# Altium PCB LimeSDR-QPCIe_1v2.PcbDoc (part 6 of 21) (continued)
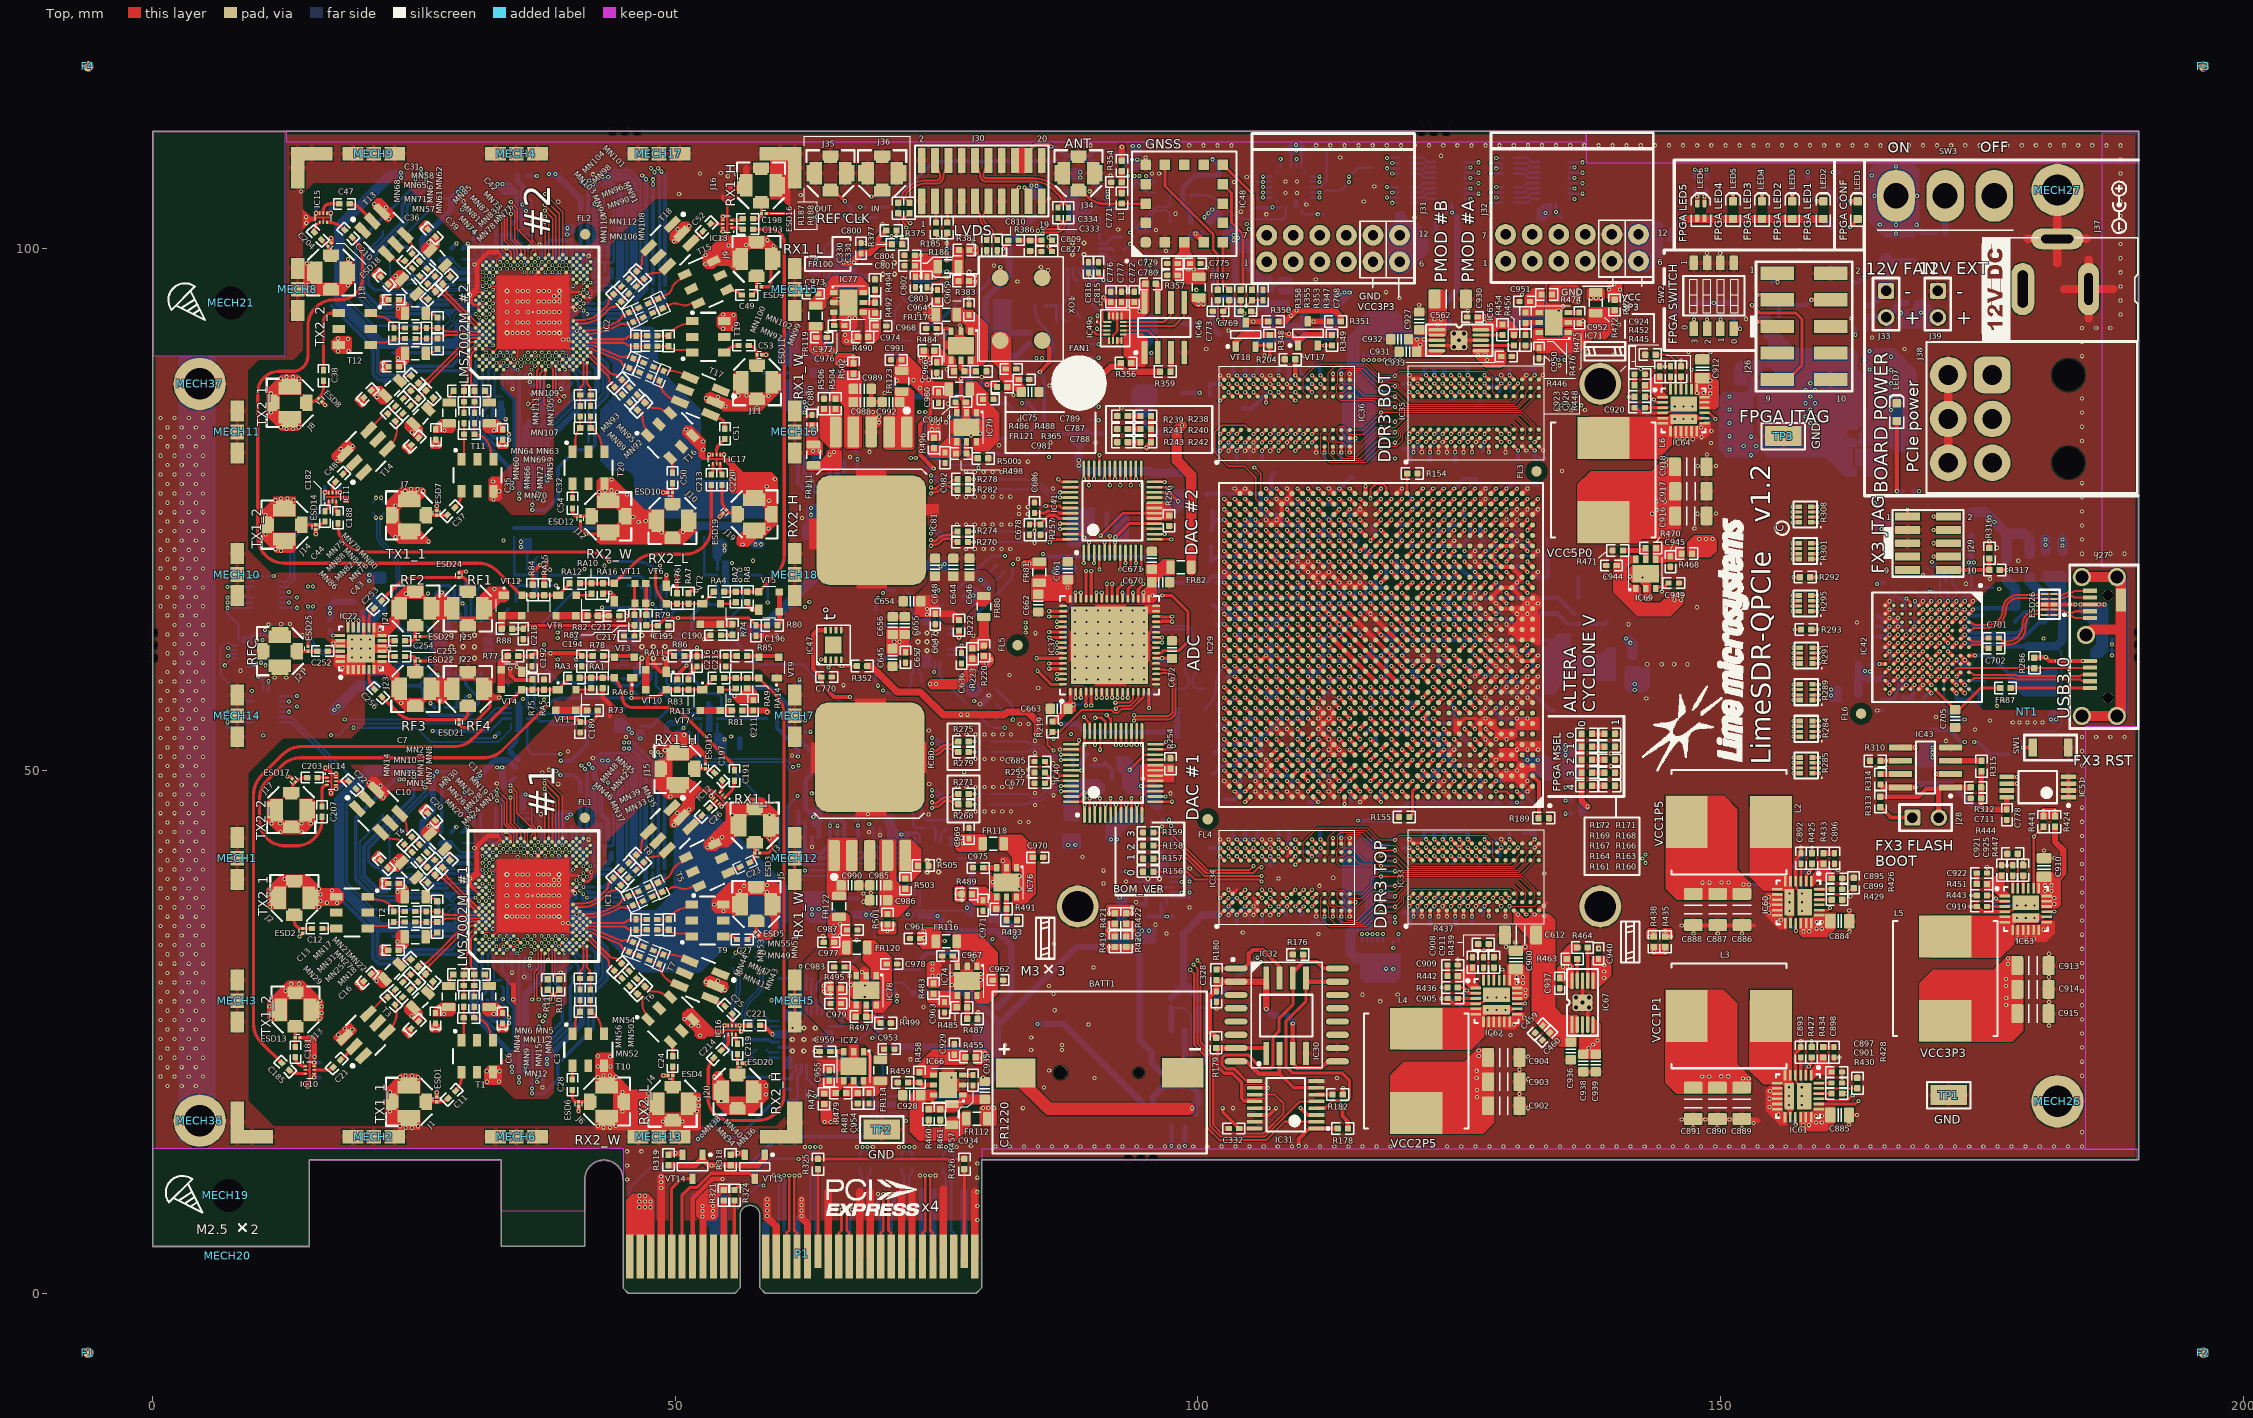
[diagram p0: Top view]
## Nets (pads, with @x,y where several pads share a name; then routed paths per layer and width w, separated by ;. In a path a pad name is that pad's centre, name@x,y a point inside that pad or via, vN(x,y) a via of type N, cw(c..) or ccw(c..) an arc to the next point about the centre after c; other vN are vias at no path point) (continued)
  Bottom w0.254: v1(67.7,102.825) cw(c67.941,102.584) 67.941,102.925 R368.1@69.3,102.925
CYUSB_XTAL_N: C704.2 IC42.C7 XT1.3 | length 14.8
  Top w0.4: v2(171.775,61.4) IC42.C7@172.175,61
  L6 w0.1: v2(171.775,61.4) 171.854,61.479 172.354,61.479 172.684,61.15 173.32,61.15 173.725,60.745 173.725,53.675 173.725,53.083 v1(173.375,52.733)
  Bottom w0.4: C704.2@170.1,53.933 XT1.3@171.825,53.933 173.025,52.733 v1(173.375,52.733)
CYUSB_XTAL_P: C703.2 IC42.C6 XT1.1 | length 15.1
  Top w0.4: IC42.C6@172.175,61.8 v2(172.575,62.2)
  L6 w0.1: v2(172.575,62.2) 172.496,62.121 172.496,61.621 172.766,61.35 173.403,61.35 173.925,60.828 173.925,53.675 ; 173.925,53.758 173.925,53.083 v1(174.275,52.733)
  Bottom w0.4: v1(174.275,52.733) 174.625,52.733 XT1.1@175.825,51.533 C703.2@177.575,51.533
DAC1_CLK: IC40.17 IC40.18 IC40.19 IC40.20 IC55.3 R254.2 | length 12.5
  L8 w0.1: v1(94.725,49.25) 96.175,47.8 96.175,41.625 v1(98.45,39.35)
  Bottom w0.254: IC55.3@97.35,39.35 IC55.3@97.7,39.35 v1(98.45,39.35)
DAC1_DA0: IC29.E27 IC40.14 | length 19
  Top w0.25: IC40.14@95.925,47.525 v1(96.9,47.525)
  Top w0.4: v2(105.525,52) IC29.E27@106.025,51.5
  L3 w0.1: v1(96.9,47.525) 96.9,48.45 97.575,49.125 98.225,49.125 ccw(c98.225,49.429) 98.529,49.429 98.529,49.883 cw(c98.833,49.883) 98.833,50.187 cw(c98.833,49.883) 99.137,49.883 99.137,49.125 99.137,48.367 ccw(c99.441,48.367) 99.441,48.063 ccw(c99.441,48.367) 99.745,48.367 99.745,49.125 99.745,49.502 cw(c100.049,49.502) 100.049,49.806 cw(c100.049,49.502) 100.353,49.502 100.353,49.125 100.353,48.725 ccw(c100.657,48.725) 100.657,48.421 ccw(c100.657,48.725) 100.961,48.725 100.961,48.821 cw(c101.265,48.821) 101.265,49.125 101.475,49.125 101.584,49.125 102.08,49.621 102.08,50.05 102.38,50.35 103.95,50.35 104.18,50.58 104.18,51.15 105.03,52 v2(105.525,52)
DAC1_DA1: IC29.F25 IC40.13 | length 18.7
  Top w0.25: IC40.13@96.225,47.025 v1(97.525,47.025)
  Top w0.4: v2(107.525,53) IC29.F25@108.025,52.5
  L3 w0.1: v1(97.525,47.025) 97.8,47.025 ccw(c97.8,47.329) 98.104,47.329 98.104,47.971 cw(c98.408,47.971) 98.408,48.275 cw(c98.408,47.971) 98.712,47.971 98.712,47.025 98.712,46.079 ccw(c99.016,46.079) 99.016,45.775 ccw(c99.016,46.079) 99.32,46.079 99.32,46.721 cw(c99.624,46.721) 99.624,47.025 99.65,47.025 99.767,47.025 102.292,49.55 103.58,49.55 105.43,51.4 105.925,51.4 v2(107.525,53)
DAC1_DA2: IC29.D28 IC40.12 | length 17.8
  Top w0.25: IC40.12@94.65,46.05 v1(94.65,47.35)
  Top w0.4: v2(104.525,51) IC29.D28@105.025,50.5
  L6 w0.1: v1(94.65,47.35) 94.525,47.35 93.975,47.9 93.35,47.9 93.05,48.2 93.05,48.525 93.4,48.875 94.875,48.875 95.4,49.4 98.975,49.4 99.9,48.475 101.375,48.475 102.333,49.433 102.766,49.433 102.983,49.65 103.67,49.65 104.525,50.505 v2(104.525,51)
DAC1_DA3: IC29.E28 IC40.11 | length 19.1
  Top w0.25: IC40.11@94.15,45.75 v1(94.15,46.725)
  Top w0.4: v2(104.525,52) IC29.E28@105.025,51.5
  L3 w0.1: v1(94.15,46.725) 94.3,46.875 94.3,47.575 93.8,48.075 93.8,48.959 95.316,50.475 95.775,50.475 96.075,50.175 96.075,49.625 96.4,49.3 96.925,49.3 97.668,50.043 97.982,50.043 98.789,50.85 100.375,50.85 100.675,50.55 100.875,50.55 ccw(c100.875,50.854) 101.179,50.854 101.179,50.981 cw(c101.483,50.981) 101.483,51.285 cw(c101.483,50.981) 101.787,50.981 101.787,50.854 ccw(c102.091,50.854) 102.091,50.55 102.35,50.55 103.867,50.55 103.98,50.663 103.98,51.233 104.525,51.778 v2(104.525,52)
DAC1_DA4: IC29.F26 IC40.10 | length 18.6
  Top w0.25: IC40.10@93.65,46.05 v1(93.65,47.35)
  Top w0.4: v2(106.525,53) IC29.F26@107.025,52.5
  L3 w0.1: v1(93.65,47.35) 93.375,47.625 93.375,49.1 95.525,51.25 99.799,51.25 100.974,52.425 103.85,52.425 104.075,52.65 105.7,52.65 106.05,53 v2(106.525,53)
DAC1_DA5: IC29.E30 IC40.9 | length 18.7
  Top w0.25: IC40.9@93.15,45.75 v1(93.15,46.725)
  Top w0.4: v2(102.525,52) IC29.E30@103.025,51.5
  L3 w0.1: v1(93.15,46.725) 93.65,46.725 94.1,47.175 94.1,47.475 93.575,48 93.575,49.017 95.608,51.05 95.993,51.05 cw(c95.993,50.746) 96.297,50.746 96.297,49.83 ccw(c96.601,49.83) 96.601,49.526 ccw(c96.601,49.83) 96.905,49.83 96.905,50.746 cw(c97.209,50.746) 97.209,51.05 cw(c97.209,50.746) 97.513,50.746 97.513,50.605 ccw(c97.817,50.605) 97.817,50.301 ccw(c97.817,50.605) 98.121,50.605 98.121,50.746 cw(c98.425,50.746) 98.425,51.05 99.881,51.05 100.981,52.15 102.375,52.15 v2(102.525,52)
DAC1_DA6: IC29.D27 IC40.8 | length 17.5
  Top w0.25: IC40.8@92.65,46.05 v1(92.65,47.35)
  Top w0.4: v2(105.525,51) IC29.D27@106.025,50.5
  L6 w0.1: v1(92.65,47.35) 93,47.7 93.795,47.7 94.82,46.675 99.411,46.675 100.275,47.539 101.564,47.539 102.75,48.725 102.755,48.725 103.38,49.35 103.775,49.35 104.025,49.6 104.6,49.6 104.925,49.925 104.925,50.4 v2(105.525,51)
DAC1_DA7: IC29.C29 IC40.7 | length 18.2
  Top w0.25: IC40.7@92.15,45.75 v1(92.15,46.725)
  Top w0.4: v2(103.525,50) IC29.C29@104.025,49.5
  L6 w0.1: v1(92.15,46.725) 92.15,48.35 93.433,49.633 99.2,49.633 cw(c99.2,49.329) 99.504,49.329 ccw(c99.808,49.329) 99.808,49.025 ccw(c99.808,49.329) 100.112,49.329 100.112,49.633 100.112,49.737 cw(c100.416,49.737) 100.416,50.041 cw(c100.416,49.737) 100.72,49.737 100.72,49.633 100.72,49.021 ccw(c101.024,49.021) 101.024,48.717 ccw(c101.024,49.021) 101.328,49.021 101.328,49.329 cw(c101.632,49.329) 101.632,49.633 101.775,49.633 102.683,49.633 103.05,50 v2(103.525,50)
DAC1_DA8: IC29.C30 IC40.6 | length 18
  Top w0.25: IC40.6@91.65,46.05 v1(91.65,47.35)
  Top w0.4: v2(102.525,50) IC29.C30@103.025,49.5
  L6 w0.1: v1(91.65,47.35) 91.25,47.75 91.25,49.3 92.375,50.425 93.275,50.425 95.735,50.425 cw(c95.735,50.154) 96.006,50.154 ccw(c96.31,50.154) 96.31,49.85 ccw(c96.31,50.154) 96.614,50.154 cw(c96.885,50.154) 96.885,50.425 96.951,50.425 cw(c96.951,50.154) 97.222,50.154 ccw(c97.526,50.154) 97.526,49.85 ccw(c97.526,50.154) 97.83,50.154 cw(c98.101,50.154) 98.101,50.425 98.167,50.425 cw(c98.167,50.154) 98.438,50.154 ccw(c98.742,50.154) 98.742,49.85 ccw(c98.742,50.154) 99.046,50.154 cw(c99.317,50.154) 99.317,50.425 99.35,50.425 102.1,50.425 v2(102.525,50)
DAC1_DA9: IC29.D29 IC40.5 | length 18
  Top w0.25: IC40.5@91.15,45.75 v1(91.15,46.725)
  Top w0.4: v2(103.525,51) IC29.D29@104.025,50.5
  L6 w0.1: v1(91.15,46.725) 91.05,46.825 91.05,50.275 91.425,50.65 103.175,50.65 v2(103.525,51)
DAC1_DA10: IC29.D30 IC40.4 | length 17.9
  Top w0.25: IC40.4@90.65,46.05 v1(90.65,47.35)
  Top w0.4: v2(102.525,51) IC29.D30@103.025,50.5
  L6 w0.1: v1(90.65,47.35) 90.65,49.25 90.175,49.725 90.175,50.15 90.55,50.525 91.017,50.525 91.342,50.85 101.625,50.85 101.95,51.175 102.35,51.175 v2(102.525,51)
DAC1_DA11: IC29.B29 IC40.3 | length 18.2
  Top w0.25: IC40.3@90.15,45.75 v1(90.15,46.725)
  Top w0.4: v2(103.525,49) IC29.B29@104.025,48.5
  L6 w0.1: v1(90.15,46.725) 90.575,46.3 99.8,46.3 ccw(c99.8,46.604) 100.104,46.604 100.104,46.832 cw(c100.408,46.832) 100.408,47.136 cw(c100.408,46.832) 100.712,46.832 100.712,46.563 ccw(c100.975,46.563) 100.975,46.3 101.75,46.3 102,46.55 102,47.687 103.313,49 v2(103.525,49)
DAC1_DA12: IC29.A29 IC40.2 | length 17.9
  Top w0.25: IC40.2@89.65,46.05 v1(89.65,47.35)
  Top w0.4: v2(103.525,48) IC29.A29@104.025,47.5
  L6 w0.1: v1(89.65,47.35) 89.65,46.73 90.297,46.084 102.234,46.084 103.525,47.375 v2(103.525,48)
DAC1_DA13: IC29.B28 IC40.1 | length 18.3
  Top w0.25: IC40.1@89.15,45.75 v1(89.15,46.725)
  Top w0.4: v2(104.525,48) IC29.B28@105.025,48.5
  L6 w0.1: v1(89.15,46.725) 89.991,45.884 102.409,45.884 v2(104.525,48)
DAC1_DB0: IC29.F28 IC40.36 | length 18.5
  Top w0.25: v1(89.15,52.45) IC40.36@89.15,53.5
  Top w0.4: v2(104.525,53) IC29.F28@105.025,52.5
  L3 w0.1: v1(89.15,52.45) 89.15,51.85 89.55,51.45 99.716,51.45 100.916,52.65 103.725,52.65 104.075,53 v2(104.525,53)
DAC1_DB1: IC29.F30 IC40.35 | length 18.9
  Top w0.25: v1(89.1,55.125) 89.65,54.575 IC40.35@89.65,53.8
  Top w0.4: v2(102.525,53) IC29.F30@103.025,52.5
  L3 w0.1: v1(89.1,55.125) 89.625,54.6 89.625,52.475 90.45,51.65 99.633,51.65 100.983,53 v2(102.525,53)
DAC1_DB2: IC29.J28 IC40.34 | length 18.8
  Top w0.25: v1(90.15,52.45) IC40.34@90.15,53.5
  Top w0.4: v2(104.525,56) IC29.J28@105.025,55.5
  L3 w0.1: v1(90.15,52.45) 92.4,54.7 92.4,54.9 94.8,57.3 101.73,57.3 102.43,56.6 103.925,56.6 v2(104.525,56)
DAC1_DB3: IC29.F29 IC40.33 | length 18.7
  Top w0.25: v1(90.65,52) IC40.33@90.65,53.8
  Top w0.4: v2(103.525,53) IC29.F29@104.025,52.5
  L3 w0.1: v1(90.65,52) 90.8,51.85 90.95,51.85 ccw(c90.95,52.154) 91.254,52.154 91.254,52.172 cw(c91.558,52.172) 91.558,52.476 cw(c91.558,52.172) 91.862,52.172 91.862,52.154 ccw(c92.166,52.154) 92.166,51.85 93.5,51.85 95.4,51.85 ccw(c95.4,52.154) 95.704,52.154 95.704,52.521 cw(c96.008,52.521) 96.008,52.825 cw(c96.008,52.521) 96.312,52.521 96.312,52.154 ccw(c96.616,52.154) 96.616,51.85 96.7,51.85 97.85,51.85 98.15,52.15 98.775,52.15 99.075,51.85 99.55,51.85 101.15,53.45 102.842,53.45 103.292,53 v2(103.525,53)
DAC1_DB4: IC29.K30 IC40.32 | length 19
  Top w0.25: v1(90.175,55.05) 90.8,55.05 91.15,54.7 IC40.32@91.15,53.8
  Top w0.4: v2(102.525,57) IC29.K30@103.025,56.5
  L3 w0.1: v1(90.175,55.05) 90.525,54.7 91.917,54.7 94.725,57.508 96.683,57.508 97.275,58.1 99.026,58.1 ccw(c99.026,58.404) 99.33,58.404 99.33,58.547 cw(c99.634,58.547) 99.634,58.851 cw(c99.634,58.547) 99.938,58.547 99.938,58.1 99.938,57.804 ccw(c100.242,57.804) 100.242,57.5 ccw(c100.242,57.804) 100.546,57.804 cw(c100.842,57.804) 100.842,58.1 100.85,58.1 101.425,58.1 v2(102.525,57)
DAC1_DB5: IC29.K28 IC40.31 | length 19
  Top w0.25: v1(91.275,55.325) 91.65,54.95 IC40.31@91.65,53.8
  Top w0.4: v2(104.525,57) IC29.K28@105.025,56.5
  L3 w0.1: v1(91.275,55.325) 92.15,55.325 94.533,57.708 96.54,57.708 97.9,59.068 98.209,59.068 cw(c98.209,58.764) 98.513,58.764 98.513,58.628 ccw(c98.817,58.628) 98.817,58.324 ccw(c98.817,58.628) 99.121,58.628 99.121,58.764 cw(c99.425,58.764) 99.425,59.068 100.74,59.068 102.433,57.375 104.15,57.375 v2(104.525,57)
DAC1_DB6: IC29.G29 IC40.30 | length 18.6
  Top w0.25: v1(92.15,52.45) IC40.30@92.15,53.5
  Top w0.4: v2(103.525,54) IC29.G29@104.025,53.5
  L3 w0.1: v1(92.15,52.45) 92.55,52.05 94.75,52.05 95.725,53.025 96.283,53.025 96.458,53.2 100.042,53.2 101.392,54.55 103.625,54.55 103.925,54.85 103.925,55.275 104.075,55.425 104.675,55.425 104.875,55.225 104.875,54.65 104.575,54.35 104.35,54.35 104,54 v2(103.525,54)
DAC1_DB7: IC29.J29 IC40.29 | length 18.4
  Top w0.25: v1(92.65,52.45) IC40.29@92.65,53.5
  Top w0.4: v2(103.525,56) IC29.J29@104.025,55.5
  L3 w0.1: v1(92.65,52.45) 92.65,54.867 94.883,57.1 98.3,57.1 cw(c98.3,56.878) 98.522,56.878 98.522,56.704 ccw(c98.826,56.704) 98.826,56.4 ccw(c98.826,56.704) 99.13,56.704 99.13,56.796 cw(c99.434,56.796) 99.434,57.1 cw(c99.434,56.796) 99.738,56.796 99.738,56.704 ccw(c100.042,56.704) 100.042,56.4 ccw(c100.042,56.704) 100.346,56.704 100.346,56.796 cw(c100.65,56.796) 100.65,57.1 101.647,57.1 102.347,56.4 103.35,56.4 103.525,56.225 v2(103.525,56)
DAC1_DB8: IC29.J30 IC40.28 | length 18.3
  Top w0.25: v1(93.15,52.45) IC40.28@93.15,53.5
  Top w0.4: v2(102.525,56) IC29.J30@103.025,55.5
  L3 w0.1: v1(93.15,52.45) 93.15,55.084 94.266,56.2 94.9,56.2 ccw(c94.9,56.504) 95.204,56.504 95.204,56.596 cw(c95.508,56.596) 95.508,56.9 cw(c95.508,56.596) 95.812,56.596 95.812,56.2 95.812,56.154 ccw(c96.116,56.154) 96.116,55.85 ccw(c96.116,56.154) 96.42,56.154 96.42,56.2 96.42,56.596 cw(c96.724,56.596) 96.724,56.9 cw(c96.724,56.596) 97.028,56.596 97.028,56.2 97.028,56.154 ccw(c97.332,56.154) 97.332,55.85 ccw(c97.332,56.154) 97.636,56.154 97.636,56.2 97.636,56.596 cw(c97.94,56.596) 97.94,56.9 cw(c97.94,56.596) 98.244,56.596 98.244,56.504 ccw(c98.548,56.504) 98.548,56.2 98.825,56.2 102.325,56.2 v2(102.525,56)
DAC1_DB9: IC29.H27 IC40.27 | length 18.6
  Top w0.25: v1(93.65,52.45) IC40.27@93.65,53.5
  Top w0.4: v2(105.525,55) IC29.H27@106.025,54.5
  L3 w0.1: v1(93.65,52.45) 93.4,52.7 93.4,53.7 95.35,55.65 100.6,55.65 100.95,56 101.85,56 102.2,55.65 104.825,55.65 105,55.825 105,56.15 105.2,56.35 105.67,56.35 105.925,56.095 105.925,55.4 v2(105.525,55)
DAC1_DB10: IC29.H29 IC40.26 | length 18.7
  Top w0.25: v1(94.15,52.45) IC40.26@94.15,53.5
  Top w0.4: v2(103.525,55) IC29.H29@104.025,54.5
  L3 w0.1: v1(94.15,52.45) 93.6,53 93.6,53.6 95.45,55.45 95.925,55.45 96.511,55.45 cw(c96.511,55.146) 96.815,55.146 96.815,54.843 ccw(c97.119,54.843) 97.119,54.539 ccw(c97.119,54.843) 97.423,54.843 97.423,55.146 cw(c97.727,55.146) 97.727,55.45 cw(c97.727,55.146) 98.031,55.146 98.031,54.843 ccw(c98.335,54.843) 98.335,54.539 ccw(c98.335,54.843) 98.639,54.843 98.639,55.146 cw(c98.943,55.146) 98.943,55.45 cw(c98.943,55.146) 99.247,55.146 99.247,54.843 ccw(c99.551,54.843) 99.551,54.539 ccw(c99.551,54.843) 99.855,54.843 99.855,55.146 cw(c100.159,55.146) 100.159,55.45 cw(c100.159,55.146) 100.463,55.146 100.463,55.094 ccw(c100.767,55.094) 100.767,54.79 ccw(c100.767,55.094) 101.071,55.094 101.071,55.146 cw(c101.375,55.146) 101.375,55.45 103.075,55.45 v2(103.525,55)
DAC1_DB11: IC29.H30 IC40.25 | length 18.5
  Top w0.25: v1(94.65,52.45) IC40.25@94.65,53.5
  Top w0.4: v2(102.525,55) IC29.H30@103.025,54.5
  L3 w0.1: v1(94.65,52.45) 94.645,52.45 93.875,53.22 93.875,53.592 94.583,54.3 94.725,54.3 ccw(c94.725,54.598) 95.023,54.598 95.023,54.614 cw(c95.327,54.614) 95.327,54.918 cw(c95.327,54.614) 95.631,54.614 95.631,54.3 95.631,53.721 ccw(c95.935,53.721) 95.935,53.417 ccw(c95.935,53.721) 96.239,53.721 96.239,54.3 cw(c96.487,54.3) 96.487,54.548 96.599,54.548 cw(c96.599,54.3) 96.847,54.3 96.847,53.721 ccw(c97.151,53.721) 97.151,53.417 ccw(c97.151,53.721) 97.455,53.721 97.455,54.3 cw(c97.703,54.3) 97.703,54.548 97.815,54.548 cw(c97.815,54.3) 98.063,54.3 98.063,53.721 ccw(c98.367,53.721) 98.367,53.417 ccw(c98.367,53.721) 98.671,53.721 98.671,53.996 cw(c98.975,53.996) 98.975,54.3 100.75,54.3 101.7,55.25 102.275,55.25 v2(102.525,55)
DAC1_DB12: IC29.H26 IC40.24 | length 18.7
  Top w0.25: IC40.24@95.925,52.525 96.75,52.525 v1(96.95,52.725)
  Top w0.4: v2(106.525,55) IC29.H26@107.025,54.5
  L3 w0.1: v1(96.95,52.725) 97.225,53 98.65,53 99.1,52.55 99.675,52.55 101.475,54.35 102.68,54.35 103.48,53.55 106.575,53.55 107.125,54.1 107.125,55.175 107.325,55.375 107.6,55.375 107.975,55.75 107.975,56.125 107.7,56.4 107.15,56.4 106.875,56.125 106.875,55.855 106.525,55.505 v2(106.525,55)
DAC1_DB13: IC29.H25 IC40.23 | length 18.8
  Top w0.25: IC40.23@95.925,52.025 97.375,52.025 v1(97.7,52.35)
  Top w0.4: v2(107.525,55) IC29.H25@108.025,54.5
  L3 w0.1: v1(97.7,52.35) 99.767,52.35 101.067,53.65 102.925,53.65 103.225,53.35 106.658,53.35 106.933,53.625 107.655,53.625 107.88,53.85 107.88,54.08 108.45,54.65 108.67,54.65 108.875,54.855 108.875,56.145 108.67,56.35 108.375,56.35 108.175,56.15 108.175,55.65 v2(107.525,55)
DAC1_IOUTA_N: C675.2 IC40.45 R248.2 R250.1 R252.1 | length 8.1
  Top w0.2: v1(86.9,48.525) IC40.45@87.875,48.525
  Bottom w0.2: R252.1@80.18,47.77 80.58,47.77 C675.2@81.23,47.77 R248.2@82.28,47.77 82.98,47.77 R250.1@83.38,47.77 cw(c83.38,46.804) 84.063,47.487 ccw(c84.177,47.601) 84.177,47.44 84.6,47.44 ccw(c84.6,48.03) 85.017,47.613 85.54,48.135 cw(c86.275,47.4) 86.275,48.44 ; 86.275,48.445 86.707,48.445 cw(c86.9,48.252) v1(86.9,48.525)
DAC1_IOUTA_P: C675.1 IC40.46 R244.1 R246.1 R248.1 | length 8.1
  Top w0.2: v1(86.9,48.025) IC40.46@87.875,48.025
  Bottom w0.2: R244.1@80.18,46.77 C675.1@81.23,46.77 R248.1@82.28,46.77 R246.1@83.38,46.77 ccw(c83.38,47.736) 84.063,47.053 cw(c84.177,46.939) 84.177,47.1 84.6,47.1 ccw(c84.6,48.03) 85.258,47.372 85.78,47.895 cw(c86.275,47.4) 86.275,48.1 ; 86.275,48.105 86.707,48.105 ccw(c86.9,48.298) v1(86.9,48.025)
DAC1_IOUTB_N: C679.2 IC40.40 R262.2 R264.1 R266.1 | length 8.1
  Top w0.2: v1(86.9,51.025) IC40.40@87.875,51.025
  Bottom w0.2: R266.1@80.18,51.78 80.58,51.78 R262.2@82.28,51.78 82.98,51.78 R264.1@83.38,51.78 ccw(c83.38,52.746) 84.063,52.063 cw(c84.177,51.949) 84.177,52.11 84.6,52.11 cw(c84.6,51.52) 85.017,51.937 85.54,51.415 ccw(c86.275,52.15) 86.275,51.11 ; 86.275,51.105 86.707,51.105 ccw(c86.9,51.298) v1(86.9,51.025)
DAC1_IOUTB_P: C679.1 IC40.39 R258.1 R260.1 R262.1 | length 8.1
  Top w0.2: v1(86.9,51.525) IC40.39@87.875,51.525
  Bottom w0.2: R258.1@80.18,52.78 R262.1@82.28,52.78 R260.1@83.38,52.78 cw(c83.38,51.814) 84.063,52.497 ccw(c84.177,52.611) 84.177,52.45 84.6,52.45 cw(c84.6,51.52) 85.258,52.178 85.78,51.655 ccw(c86.275,52.15) 86.275,51.45 ; 86.275,51.445 86.707,51.445 cw(c86.9,51.252) v1(86.9,51.525)
DAC1_MODE: IC29.J23 IC40.48 | length 27.8
  Top w0.25: IC40.48@87.875,47.025 88.825,47.025 v1(89.15,47.35)
  Top w0.4: v2(109.525,56) IC29.J23@110.025,55.5
  L8 w0.1: v1(89.15,47.35) 91.1,49.3 91.1,52.275 91.7,52.875 93.708,52.875 96.208,55.375 108.5,55.375 109.125,56 v2(109.525,56)
DAC1_SLEEP: IC29.J25 IC40.37 | length 22.2
  Top w0.25: IC40.37@87.875,52.525 88.525,52.525 88.625,52.625 v1(88.625,52.9)
  Top w0.4: v2(107.525,56) IC29.J25@108.025,55.5
  L8 w0.1: v1(88.625,52.9) 89.775,52.9 90.15,53.275 93.542,53.275 96.042,55.775 101.775,55.775 102.35,56.35 106.775,56.35 107.125,56 v2(107.525,56)
DAC2_CLK: IC41.17 IC41.18 IC41.19 IC41.20 IC55.5 R256.2 | length 50.4
  Top w0.254: v1(90.7,72.475) 92.85,74.625 IC41.18@95.85,74.625
  L3 w0.1: v1(90.7,72.475) 90.7,72.408 89.617,71.325 87.692,71.325 84.95,68.583 84.95,64.8 85.225,64.525 85.225,58.125 87.375,55.975 87.375,52.928 88.025,52.278 88.025,50.125 90.3,47.85 90.3,47.205 90.775,46.73 90.775,46.217 98.45,38.542 v1(98.45,38.35)
  Bottom w0.254: IC55.5@97.35,38.35 IC55.5@97.7,38.35 v1(98.45,38.35)
DAC2_DA0: IC29.R27 IC41.14 | length 33.4
  Top w0.25: IC41.14@95.85,72.625 v1(96.825,72.625)
  Top w0.4: v2(105.525,62) IC29.R27@106.025,61.5
  L3 w0.1: v1(96.825,72.625) 97.05,72.85 97.05,73.117 95.942,74.225 95.675,74.225 ccw(c95.675,73.921) 95.371,73.921 95.371,73.768 cw(c95.067,73.768) 95.067,73.464 cw(c95.067,73.768) 94.763,73.768 94.763,73.921 ccw(c94.459,73.921) 94.459,74.225 93.225,74.225 93,74 93,73.641 96.125,70.516 96.125,69.516 99.62,66.02 99.633,66.008 99.851,66.008 ccw(c99.851,66.312) 100.155,66.312 100.155,68.244 cw(c100.459,68.244) 100.459,68.548 cw(c100.459,68.244) 100.763,68.244 100.763,66.008 100.763,65.004 ccw(c101.067,65.004) 101.067,64.7 ccw(c101.067,65.004) 101.371,65.004 101.371,65.704 cw(c101.675,65.704) 101.675,66.008 102.017,66.008 105.525,62.5 v2(105.525,62)
DAC2_DA1: IC29.K26 IC41.13 | length 33
  Top w0.25: IC41.13@96.15,72.125 v1(97.45,72.125)
  Top w0.4: v2(106.525,57) IC29.K26@107.025,56.5
  L3 w0.1: v1(97.45,72.125) 96.825,72.125 95.875,73.075 95.15,73.075 94.7,72.625 94.7,72.224 96.325,70.599 96.325,69.599 97.159,68.764 97.475,68.764 cw(c97.475,68.492) 97.747,68.492 97.747,68.306 ccw(c98.051,68.306) 98.051,68.002 ccw(c98.051,68.306) 98.355,68.306 98.355,68.764 98.355,69.222 cw(c98.659,69.222) 98.659,69.526 cw(c98.659,69.222) 98.963,69.222 98.963,68.764 98.963,68.306 ccw(c99.267,68.306) 99.267,68.002 ccw(c99.267,68.306) 99.571,68.306 99.571,68.46 cw(c99.875,68.46) 99.875,68.764 100.811,68.764 102.02,67.555 102.02,67 107.925,61.095 107.925,57.905 107.62,57.6 107.125,57.6 v2(106.525,57)
DAC2_DA2: IC29.N27 IC41.12 | length 32.7
  Top w0.25: v1(94.575,69.25) IC41.12@94.575,70.55
  Top w0.4: v2(105.525,60) IC29.N27@106.025,59.5
  L3 w0.1: v1(94.575,69.25) 94.575,69 96.2,67.375 96.2,66.78 95.82,66.4 93.425,66.4 93.25,66.225 93.25,64.8 93.433,64.617 95.058,64.617 95.775,63.9 95.959,63.9 ccw(c95.959,64.204) 96.263,64.204 96.263,65.882 cw(c96.567,65.882) 96.567,66.186 cw(c96.567,65.882) 96.871,65.882 96.871,64.204 ccw(c97.175,64.204) 97.175,63.9 97.625,63.9 97.726,63.9 ccw(c97.726,64.204) 98.03,64.204 98.03,64.861 cw(c98.334,64.861) 98.334,65.165 cw(c98.334,64.861) 98.638,64.861 98.638,63.9 98.638,63.396 ccw(c98.942,63.396) 98.942,63.092 ccw(c98.942,63.396) 99.246,63.396 99.246,63.596 cw(c99.55,63.596) 99.55,63.9 99.725,63.9 99.925,63.7 99.925,62.117 100.332,61.71 100.665,61.71 100.925,61.45 102.642,61.45 102.921,61.171 102.921,60.826 103.297,60.45 105.3,60.45 105.525,60.225 v2(105.525,60)
DAC2_DA3: IC29.P30 IC41.11 | length 33.2
  Top w0.25: v1(94.075,69.875) IC41.11@94.075,70.85
  Top w0.4: v2(102.525,61) IC29.P30@103.025,60.5
  L3 w0.1: v1(94.075,69.875) 94.3,70.1 94.3,70.35 92.9,71.75 92.55,71.75 92.375,71.575 92.375,71.283 93.425,70.233 93.425,69.895 93.925,69.395 93.925,68.7 94.1,68.525 94.642,68.525 95.5,67.667 95.5,67.125 94.975,66.6 93.308,66.6 93.033,66.325 92.325,66.325 92.15,66.15 92.15,65.875 92.325,65.7 92.816,65.7 93.05,65.466 93.05,65.134 92.816,64.9 92.35,64.9 92.15,64.7 92.15,63.875 92.325,63.7 95.325,63.7 95.85,63.175 95.85,61.906 96.256,61.5 97.1,61.5 97.325,61.725 97.325,63.2 97.566,63.441 98.184,63.441 98.85,62.775 99.331,62.775 99.725,62.381 99.725,62.034 100.249,61.51 100.582,61.51 100.842,61.25 102.275,61.25 v2(102.525,61)
DAC2_DA4: IC29.N29 IC41.10 | length 32.8
  Top w0.25: v1(93.575,69.25) IC41.10@93.575,70.55
  Top w0.4: v2(103.525,60) IC29.N29@104.025,59.5
  L3 w0.1: v1(93.575,69.25) 93.575,68.45 93.725,68.3 94.25,68.3 94.45,68.1 94.45,67.575 94.3,67.425 93.575,67.425 93.325,67.175 93.325,66.9 92.95,66.525 92.175,66.525 91.95,66.3 91.95,63.7 92.15,63.5 95.242,63.5 95.65,63.092 95.65,61.824 96.174,61.3 96.9,61.3 97.125,61.075 97.125,60.8 97.241,60.684 97.35,60.684 ccw(c97.35,60.988) 97.654,60.988 97.654,62.92 cw(c97.958,62.92) 97.958,63.224 cw(c97.958,62.92) 98.262,62.92 98.262,60.988 ccw(c98.566,60.988) 98.566,60.684 ccw(c98.566,60.988) 98.87,60.988 98.87,62.205 cw(c99.174,62.205) 99.174,62.509 cw(c99.174,62.205) 99.478,62.205 99.478,60.988 ccw(c99.782,60.988) 99.782,60.684 ccw(c99.782,60.988) 100.086,60.988 100.086,60.989 cw(c100.39,60.989) 100.39,61.293 cw(c100.39,60.989) 100.694,60.989 100.694,60.988 ccw(c100.998,60.988) 100.998,60.684 101.387,60.684 101.71,60.36 102.06,60.36 102.35,60.65 102.814,60.65 103.464,60 v2(103.525,60)
DAC2_DA5: IC29.M27 IC41.9 | length 33
  Top w0.25: v1(93.075,69.875) IC41.9@93.075,70.85
  Top w0.4: v2(105.525,59) IC29.M27@106.025,58.5
  L3 w0.1: v1(93.075,69.875) 93.075,68.975 92.95,68.85 91.806,68.85 91.525,68.569 91.525,68.325 91.625,68.225 93.325,68.225 93.45,68.1 93.45,67.675 93.3,67.525 92.7,67.525 ccw(c92.7,67.221) 92.396,67.221 92.396,67.022 cw(c92.092,67.022) 92.092,66.718 cw(c92.092,67.022) 91.788,67.022 91.788,67.221 ccw(c91.484,67.221) 91.484,67.525 91.4,67.525 91.175,67.3 91.175,65.725 90.85,65.4 90.85,65.309 ccw(c91.063,65.309) 91.063,65.096 cw(c91.063,64.792) 91.367,64.792 cw(c91.063,64.792) 91.063,64.488 ccw(c91.063,64.275) 90.85,64.275 90.85,64.061 ccw(c91.031,64.061) 91.031,63.88 cw(c91.031,63.576) 91.335,63.576 cw(c91.031,63.576) 91.031,63.272 ccw(c91.031,63.091) 90.85,63.091 90.85,62.85 91.075,62.625 95.074,62.625 95.45,62.249 95.45,61.741 96.091,61.1 96.72,61.1 96.925,60.895 96.925,60.625 97.066,60.484 101.304,60.484 102.238,59.55 104.975,59.55 v2(105.525,59)
DAC2_DA6: IC29.M28 IC41.8 | length 32.8
  Top w0.25: v1(92.575,69.25) IC41.8@92.575,70.55
  Top w0.4: v2(104.525,59) IC29.M28@105.025,58.5
  L3 w0.1: 91.524,68.851 90.95,68.276 90.95,67.75 90.726,67.526 90.2,67.526 89.95,67.276 89.95,66.775 ccw(c90.254,66.775) 90.254,66.471 90.505,66.471 cw(c90.505,66.167) 90.809,66.167 cw(c90.505,66.167) 90.505,65.863 90.254,65.863 ccw(c90.254,65.559) 89.95,65.559 89.95,65.255 89.95,65.175 89.95,62.675 90.2,62.425 94.991,62.425 95.25,62.166 95.25,61.658 96.175,60.733 96.175,60.466 96.357,60.284 101.221,60.284 102.155,59.35 104.175,59.35 v2(104.525,59) ; 91.525,68.851 91.525,68.905 91.525,69.209 cw(c91.829,69.209) 91.829,69.513 92.122,69.513 ccw(c92.122,69.817) 92.426,69.817 ccw(c92.122,69.817) 92.122,70.121 91.829,70.121 cw(c91.829,70.425) 91.525,70.425 91.525,70.725 91.7,70.9 92.475,70.9 92.675,70.7 92.675,69.35 v1(92.575,69.25)
DAC2_DA7: IC29.L26 IC41.7 | length 33.1
  Top w0.25: IC41.7@92.075,70.85 v1(92.075,71.825)
  Top w0.4: v2(106.525,58) IC29.L26@107.025,57.5
  L3 w0.1: v1(92.075,71.825) 92.075,71.3 91.875,71.1 90.575,71.1 90.45,70.975 90.45,70.75 90.575,70.625 90.891,70.625 91.325,70.191 91.325,68.934 89.75,67.359 89.75,66.55 89.975,66.325 89.975,66.05 89.75,65.825 89.75,61.7 89.95,61.5 95.125,61.5 95.975,60.65 95.975,60.383 96.274,60.084 101.138,60.084 102.272,58.95 102.95,58.95 103.35,58.55 103.85,58.55 104.05,58.35 105.67,58.35 106.02,58 v2(106.525,58)
DAC2_DA8: IC29.L28 IC41.6 | length 32.9
  Top w0.25: IC41.6@91.575,71.15 v1(91.575,72.45)
  Top w0.4: v2(104.525,58) IC29.L28@105.025,57.5
  L3 w0.1: v1(91.575,72.45) 91.575,71.475 91.4,71.3 90.441,71.3 90.008,70.867 90.008,70.567 90.15,70.425 90.808,70.425 91.125,70.108 91.125,69.017 89.35,67.242 89.35,66.797 88.95,66.397 88.95,61.825 89.475,61.3 95.025,61.3 95.775,60.55 95.775,60.3 96.191,59.884 101.055,59.884 102.189,58.75 102.846,58.75 103.246,58.35 103.75,58.35 104.1,58 v2(104.525,58)
DAC2_DA9: IC29.L29 IC41.5 | length 33.2
  Top w0.25: IC41.5@91.075,70.85 v1(91.075,71.825)
  Top w0.4: v2(103.525,58) IC29.L29@104.025,57.5
  L3 w0.1: v1(91.075,71.825) 90.683,71.825 89.758,70.9 88.9,70.9 88.725,70.725 88.725,70.4 88.9,70.225 90.725,70.225 90.925,70.025 90.925,69.1 89.15,67.325 89.15,66.88 88.75,66.48 88.75,60.934 89.259,60.425 95.1,60.425 95.841,59.684 100.972,59.684 102.106,58.55 102.763,58.55 103.313,58 v2(103.525,58)
DAC2_DA10: IC29.L25 IC41.4 | length 33.1
  Top w0.25: v1(90.575,69.25) IC41.4@90.575,70.55
  Top w0.4: v2(107.525,58) IC29.L25@108.025,57.5
  L3 w0.1: v1(90.575,69.25) 88.8,67.475 88.255,67.475 87.85,67.07 87.85,60.734 88.359,60.225 95.017,60.225 95.758,59.484 100.889,59.484 102.024,58.35 102.68,58.35 103.38,57.65 106.892,57.65 107.242,58 v2(107.525,58)
DAC2_DA11: IC29.L30 IC41.3 | length 33.4
  Top w0.25: v1(90.075,69.875) IC41.3@90.075,70.85
  Top w0.4: v2(102.525,58) IC29.L30@103.025,57.5
  L3 w0.1: v1(90.075,69.875) 89.65,69.45 87.8,69.45 86.225,67.875 86.225,67.5 86.225,67.424 ccw(c86.529,67.424) 86.529,67.12 86.775,67.12 cw(c86.775,66.816) 87.079,66.816 cw(c86.775,66.816) 86.775,66.512 86.225,66.512 85.675,66.512 ccw(c85.675,66.208) 85.371,66.208 ccw(c85.675,66.208) 85.675,65.904 85.921,65.904 cw(c85.921,65.6) 86.225,65.6 86.225,65.225 87.2,64.25 87.2,60.1 88.016,59.284 100.807,59.284 102.091,58 v2(102.525,58)
DAC2_DA12: IC29.P29 IC41.2 | length 33.4
  Top w0.25: IC41.2@89.575,70.85 v1(89.575,71.825)
  Top w0.4: v2(103.525,61) IC29.P29@104.025,60.5
  L3 w0.1: v1(89.575,71.825) 89.1,71.825 88.916,71.825 cw(c88.916,72.129) 88.612,72.129 88.612,73.045 ccw(c88.308,73.045) 88.308,73.349 ccw(c88.308,73.045) 88.004,73.045 88.004,72.129 cw(c87.7,72.129) 87.7,71.825 87.35,71.825 87.1,72.075 87.1,72.475 87.4,72.775 87.4,73.8 87.65,74.05 88.55,74.05 88.734,74.05 cw(c88.734,73.746) 89.038,73.746 ccw(c89.342,73.746) 89.342,73.442 ccw(c89.342,73.746) 89.646,73.746 cw(c89.95,73.746) 89.95,74.05 91.175,74.05 95.125,70.1 95.125,69.08 100.825,63.38 100.825,62.967 100.475,62.617 100.475,62.275 100.625,62.125 100.983,62.125 101.258,61.85 101.825,61.85 102.35,62.375 102.645,62.375 102.9,62.12 102.9,61.847 103.525,61.222 v2(103.525,61)
DAC2_DA13: IC29.N26 IC41.1 | length 33.3
  Top w0.25: v1(89.075,69.875) IC41.1@89.075,70.85
  Top w0.4: v2(106.525,60) IC29.N26@107.025,59.5
  L3 w0.1: v1(89.075,69.875) 87.85,69.875 87.575,70.15 87.575,70.725 87.975,71.125 89.7,71.125 90.625,72.05 90.77,72.05 91.05,72.33 91.05,72.825 90.8,73.075 90.575,73.075 90.4,73.25 90.4,73.575 90.625,73.8 91.142,73.8 94.925,70.017 94.925,68.997 100.125,63.797 100.125,62.2 100.4,61.925 100.9,61.925 101.175,61.65 102.725,61.65 103.121,61.254 103.121,60.909 103.38,60.65 105.875,60.65 v2(106.525,60)
DAC2_DB0: IC29.P28 IC41.36 | length 33.4
  Top w0.25: v1(89.075,77.925) IC41.36@89.075,78.9
  Top w0.4: v2(104.525,61) IC29.P28@105.025,60.5
  L3 w0.1: v1(89.075,77.925) 87.9,77.925 87.45,77.475 87.45,74.525 87.709,74.266 87.95,74.266 ccw(c87.95,74.57) 88.254,74.57 88.254,75.091 cw(c88.558,75.091) 88.558,75.395 cw(c88.558,75.091) 88.862,75.091 88.862,74.57 ccw(c89.166,74.57) 89.166,74.266 ccw(c89.166,74.57) 89.47,74.57 89.47,75.091 cw(c89.774,75.091) 89.774,75.395 cw(c89.774,75.091) 90.078,75.091 90.078,74.57 ccw(c90.382,74.57) 90.382,74.266 91.025,74.266 91.243,74.266 95.325,70.184 95.325,69.163 101.913,62.575 102.728,62.575 103.053,62.25 103.058,62.25 103.1,62.208 103.1,61.93 104.03,61 v2(104.525,61)